# Altium PCB FMC_ADC_130M_16B_4CH.PcbDoc (part 5 of 8) (continued)
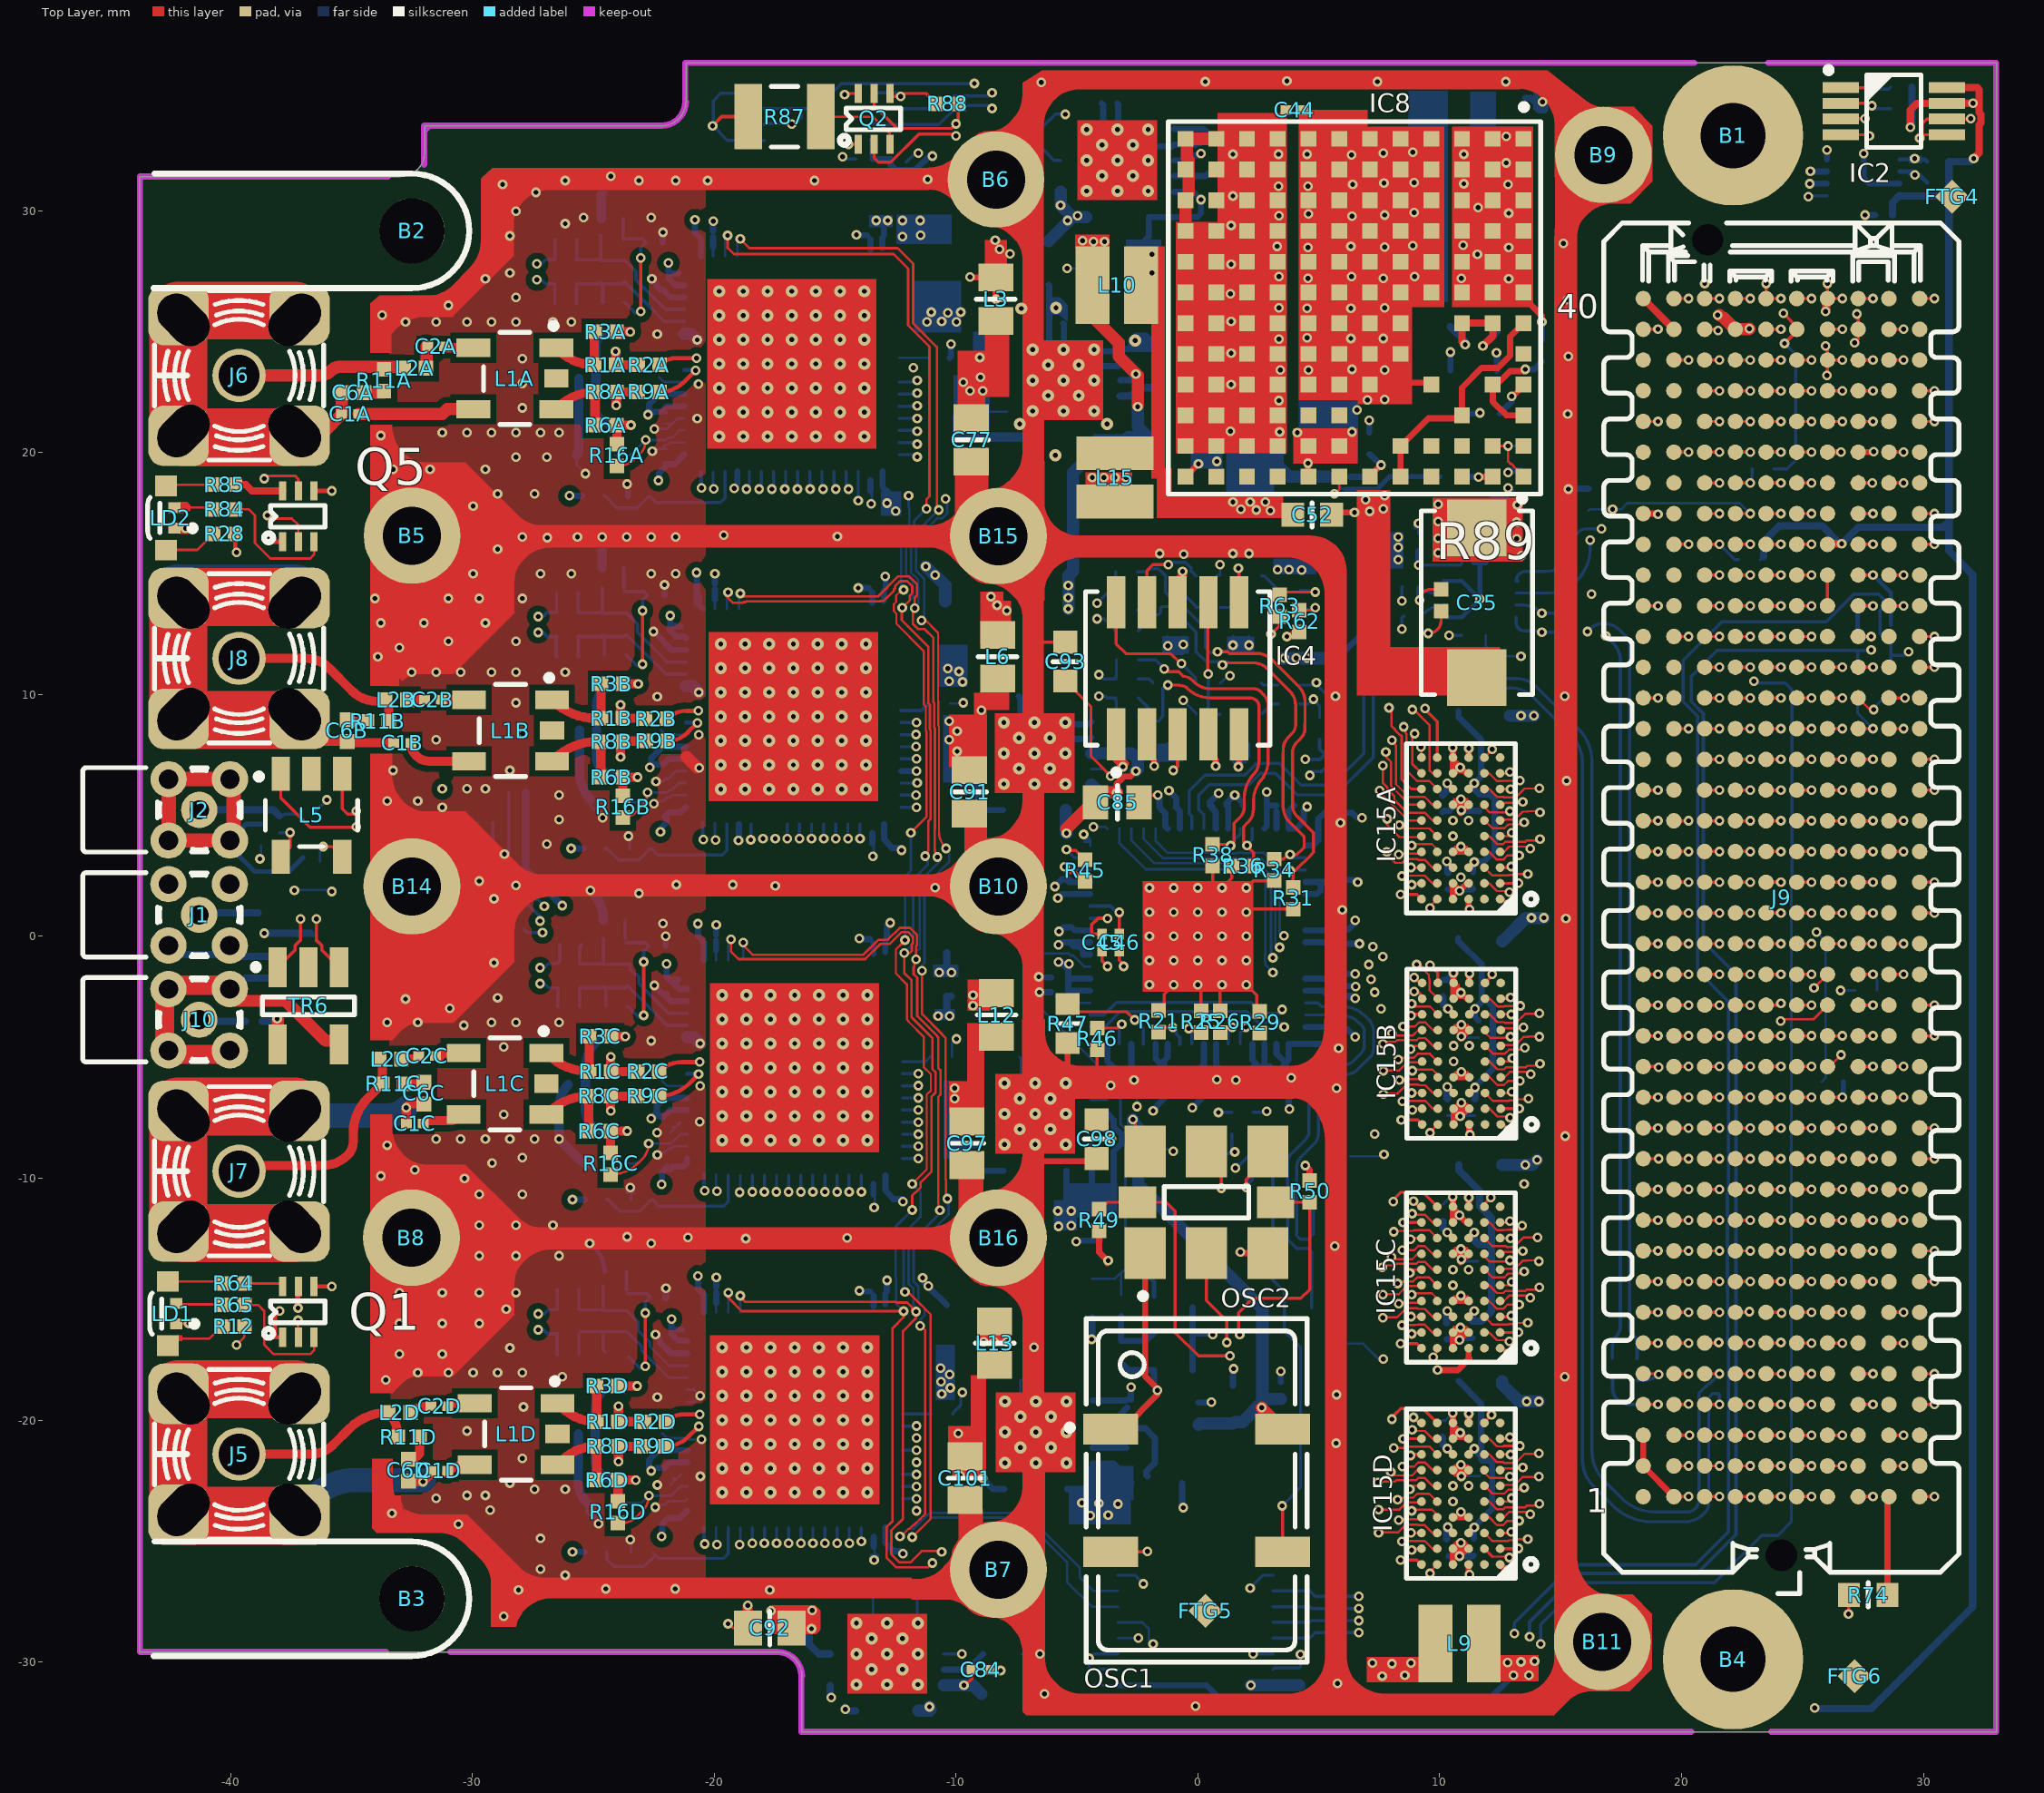
[diagram p0: Top Layer view]
## Nets (pads, with @x,y where several pads share a name; then routed paths per layer and width w, separated by ;. In a path a pad name is that pad's centre, name@x,y a point inside that pad or via, vN(x,y) a via of type N, cw(c..) or ccw(c..) an arc to the next point about the centre after c; other vN are vias at no path point) (continued)
  Bottom Layer w0.127: IC13.4@-29.804,0.289 -29.804,1.336 -29.591,1.549 v1(-29.108,1.549) ; IC13.5@-29.804,4.689 -29.804,3.667 -29.54,3.404 -28.88,3.404 ; IC13.6@-29.154,4.689 -29.154,3.678 -28.88,3.404 ; C41.2@-28.493,5.944 -28.493,4.7 IC13.7@-28.504,4.689 -28.504,3.485 -28.499,3.48 -28.6,3.48 v1(-28.677,3.404) -28.88,3.404 ; v1(-14.69,32.226) -14.597,32.134 C103.2@-14.14,32.134 ; IC17.5@-13.481,34.874 -12.446,34.874 ; C104.2@-12.065,31.998 -11.678,32.385 v1(-11.557,32.385) ; R10D.1@-10.141,-19.75 -10.141,-19.717 -9.804,-19.38 -9.804,-18.923 v1@-9.735,-18.853 ; IC14.2@-3.302,-30.313 -4.466,-30.313 C37.1@-4.496,-30.282 v1(-4.496,-29.845) -4.313,-29.663 IC14.3@-3.302,-29.663 ; IC14.8@-3.302,-26.413 -2.62,-26.413 v1(-2.261,-26.772) ; v1(-1.803,7.036) -1.265,7.574 TR3.5@-1.265,7.965 TR3.4@-0.615,7.965 ; v1(-1.575,15.824) -1.555,15.824 TR4.9@-1.265,16.114 ; TR3.9@-1.265,11.695 TR3.10@-0.615,11.695 TR4.4@-0.615,12.384 ; TR4.5@-1.265,12.384 -1.265,12.034 v1(-1.245,12.014) ; v1(-0.635,15.088) -0.635,14.199 -0.08,13.643 TR4.3@-0.08,13.599 0.29,13.599 0.483,13.792 0.483,14.605 0.802,14.925 TR2.3@0.918,14.925 ; TR4.10@-0.615,16.114 -0.615,15.855 -0.584,15.824 v1(-0.584,15.799) ; v1@0.94,-7.239 0.972,-7.272 R52.2@1.397,-7.272 ; v1(1.448,15.824) 1.448,15.85 1.453,15.855 TR2.4@1.453,16.14 ; TR5.10@1.453,7.965 1.453,7.234 v1(1.676,7.01) 2.103,7.437 TR5.9@2.103,7.965 ; TR5.4@1.453,11.695 TR2.10@1.453,12.41 ; v1@1.575,-5.969 1.58,-5.963 C110.1@1.58,-5.41 ; TR5.5@2.103,11.695 TR2.9@2.103,12.41 ; TR2.5@2.103,16.14 2.103,15.855 2.108,15.85 v1(2.108,15.824) ; v1(2.159,-26.949) 2.696,-26.413 IC14.9@3.114,-26.413 ; v1(2.286,-29.667) 2.291,-29.663 IC14.14@3.114,-29.663 ; R30.2@2.286,-7.272 2.812,-7.272 v1(2.845,-7.239) ; IC14.15@3.114,-30.313 3.17,-30.257 C39.1@4.191,-30.257 4.242,-30.206 v1(4.242,-29.693) ; C50.2@9.119,16.631 v1(9.119,17.069) ; C74.2@31.471,33.762 31.857,33.762 31.902,33.807 v1(31.953,33.807)
  Bottom Layer w0.178: v1(-25.146,-12.7) -24.915,-12.931 cw(c-25.854,-13.871) R76D.1@-24.526,-13.871 ; IC16.9@10.159,13.195 10.909,13.195 v1(11.659,13.945) 10.909,14.695 IC16.12@10.159,14.695
  Bottom Layer w0.203: IC16.14@11.409,15.445 11.659,15.445 ; v1(11.659,13.945) 11.659,15.445 ; IC16.15@11.909,15.445 11.659,15.445
  Bottom Layer w0.254: v1(-23.597,18.694) -23.597,18.669 -23.564,18.636 R14A.2@-23.564,18.186 ; v1(-22.581,27.178) -22.373,26.97 -22.373,26.878 -22.239,26.744 -22.147,26.744 -21.819,26.416 IC1A.14@-21.244,26.416 ; v1(-22.512,12.598) -21.75,11.836 IC1B.14@-21.175,11.836 ; v1(-22.479,-2.032) -22.129,-2.382 C16C.1@-22.089,-2.382 ; v1(-22.428,-16.459) -22.431,-16.459 -22.456,-16.485 -22.248,-16.692 -22.248,-16.784 -21.786,-17.247 IC1D.14@-21.12,-17.247 ; C25A.1@-22.126,28.688 -22.126,29.081 -22.123,29.083 v1(-22.123,29.108) ; C25B.1@-22.057,14.108 -22.057,14.501 -22.054,14.503 v1(-22.054,14.529) ; C25C.1@-22.004,-0.41 -22.004,-0.017 -22.002,-0.015 v1(-22.002,0.011) ; C25D.1@-22.001,-14.975 -22.001,-14.582 -21.999,-14.58 v1(-21.999,-14.554) ; C16C.1@-21.971,-2.382 C16C.1@-22.089,-2.382 ; IC1C.14@-21.123,-2.682 -21.789,-2.682 C16C.1@-22.089,-2.382 ; IC1A.18@-20.044,28.499 C15A.1@-20.044,28.929 ; C15A.1@-20.044,29.159 v1@-20.044,29.59 ; IC1B.18@-19.975,13.919 C15B.1@-19.975,14.35 ; -19.975,14.58 v1@-19.975,15.01 ; IC1C.18@-19.923,-0.599 C15C.1@-19.923,-0.168 ; C15C.1@-19.923,0.062 v1@-19.923,0.492 ; IC1D.18@-19.92,-15.164 C15D.1@-19.92,-14.733 ; C15D.1@-19.92,-14.503 v1@-19.92,-14.073 ; v1(-19.177,18.517) -19.152,18.517 -19.094,18.574 -19.094,18.669 -19.044,18.719 IC1A.61@-19.044,19.216 ; v1(-18.999,3.962) -18.974,3.962 -18.975,3.964 IC1B.61@-18.975,4.636 ; v1@-14.113,28.981 C20A.1@-13.683,28.981 ; v1@-14.044,14.402 C20B.1@-13.614,14.402 ; v1@-13.991,-0.116 -13.561,-0.116 ; v1@-13.989,-14.681 C20D.1@-13.558,-14.681 ; C19A.1@-13.536,18.416 IC1A.50@-13.536,18.847 ; IC1A.31@-13.536,28.372 C20A.1@-13.536,28.802 ; C19B.1@-13.467,3.837 IC1B.50@-13.467,4.267 ; IC1B.31@-13.467,13.792 C20B.1@-13.467,14.223 ; C19C.1@-13.414,-10.681 IC1C.50@-13.414,-10.251 ; IC1C.31@-13.414,-0.726 -13.414,-0.295 ; C19D.1@-13.411,-25.246 IC1D.50@-13.411,-24.816 ; IC1D.31@-13.411,-15.291 C20D.1@-13.411,-14.86 ; R10A.1@-10.266,23.913 -10.211,23.968 v1(-10.211,24.486) ; IC9.7@-7.406,9.919 -7.341,9.853 IC9.21@-7.341,8.763 ; IC9.8@-6.756,9.919 -6.731,9.894 IC9.21@-6.731,8.763 ; v1(-6.579,-1.676) -6.553,-1.702 C68.1@-6.065,-1.702 ; v1(-6.553,-2.311) C59.1@-6.065,-2.311 ; C78.1@-6.172,26.938 -6.147,26.913 IC6.21@-6.147,24.181 ; v1(-5.791,1.575) -5.616,1.75 IC3.12@-4.45,1.75 ; v1(-5.766,-0.356) -5.66,-0.25 IC3.8@-4.45,-0.25 ; IC6.8@-5.563,25.337 -5.537,25.312 IC6.21@-5.537,24.181 ; IC9.21@-5.512,8.153 -4.472,8.153 IC9.12@-4.406,8.219 ; IC9.21@-5.512,8.763 -4.513,8.763 IC9.11@-4.406,8.869 ; C69.1@-5.232,-0.325 -5.134,-0.423 -4.912,-0.423 -4.748,-0.586 -4.748,-0.75 IC3.7@-4.45,-0.75 ; v1(-5.029,-12.624) -4.989,-12.584 C95.1@-4.039,-12.584 ; v1(-4.394,-16.662) -4.369,-16.637 C55.1@-4.369,-15.761 ; IC11.12@-4.381,-6.691 -3.795,-6.691 -3.607,-6.502 v1(-3.607,-6.172) -3.607,-6.093 -3.853,-6.093 -3.905,-6.041 IC11.11@-4.381,-6.041 ; IC12.12@-4.356,-19.848 -3.287,-19.848 C102.1@-2.921,-19.482 ; IC12.11@-4.356,-19.198 -2.967,-19.198 C102.1@-2.921,-19.152 ; IC6.21@-4.318,23.571 -3.278,23.571 IC6.12@-3.213,23.637 ; IC6.21@-4.318,24.181 -3.319,24.181 IC6.11@-3.213,24.287 -1.888,24.287 C79.1@-1.676,24.498 ; IC7.7@-3.977,34.43 -3.912,34.364 IC7.21@-3.912,33.274 ; IC7.8@-3.327,34.43 -3.302,34.405 IC7.21@-3.302,33.274 ; C102.1@-2.769,-19.152 v1(-2.769,-18.644) ; IC3.62@-2.75,-4.45 -2.75,-5.46 C107.1@-2.749,-5.461 ; v1@-2.743,-5.944 -2.749,-5.938 C107.1@-2.749,-5.461 ; C108.1@-2.1,-5.469 -2.741,-5.469 C107.1@-2.749,-5.461 ; IC7.21@-2.083,32.664 -1.043,32.664 IC7.12@-0.977,32.73 -0.109,32.73 -0.051,32.788 0.086,32.788 C80.1@0.457,33.16 0.241,33.376 -0.973,33.376 IC7.11@-0.977,33.38 ; v1(-1.651,5.842) -1.6,5.842 -1.595,5.836 C67.1@-1.595,5.359 ; C67.1@-1.575,5.385 -1.575,5.309 -1.348,5.082 -1.348,4.548 IC3.22@-1.25,4.45 ; C100.1@-0.649,-22.606 -0.649,-23.582 v1(-0.61,-23.622) ; C57.1@-0.216,-17.94 C56.1@-0.216,-16.416 ; C58.1@-0.216,-15.334 C56.1@-0.216,-16.416 ; v1(0.61,-16.459) 0.584,-16.485 0.533,-16.485 0.464,-16.416 C56.1@-0.216,-16.416 ; IC3.55@0.75,-4.45 0.75,-5.328 C105.1@0.833,-5.41 0.833,-5.822 0.787,-5.867 v1(0.787,-5.918) ; C70.1@1.188,5.41 1.188,5.506 v1(1.524,5.842) 1.86,5.506 C64.1@1.86,5.41 ; IC3.27@1.25,4.45 C70.1@1.25,5.481 ; C53.1@1.448,-18.58 1.448,-17.932 1.473,-17.907 v1(1.473,-17.882) ; IC3.50@3.25,-4.45 3.25,-4.85 3.404,-5.004 3.629,-5.23 3.632,-5.232 C109.1@3.632,-5.41 ; C10.2@3.429,-18.421 v1(3.429,-17.983) ; C109.1@3.54,-5.319 3.75,-5.109 IC3.49@3.75,-4.45 5.268,-4.45 C106.1@5.359,-4.541 5.811,-4.541 5.817,-4.547 v1(5.817,-4.623) ; C109.1@3.581,-5.512 v1@3.81,-5.74 ; v1@3.785,-5.74 v1@3.881,-5.836 ; C65.1@3.988,5.41 3.75,5.172 IC3.32@3.75,4.45 4.069,4.45 4.374,4.755 4.374,5.213 v1(4.521,5.359) ; C72.1@5.537,1.631 5.862,1.631 6.045,1.448 v1@6.045,0.991 ; C63.1@5.563,0.985 5.938,0.985 5.944,0.991 v1@6.045,0.991 ; v1@5.858,4.75 5.867,4.75 v1@5.867,4.724 ; v1@5.867,4.648 v1@5.867,4.724 ; v1(5.893,4.699) v1@5.867,4.724 ; v1(5.969,1.092) 5.969,1.067 v1@6.045,0.991 ; C61.1@6.065,-2.464 6.339,-2.464 6.361,-2.486 6.474,-2.486 v1@6.502,-2.515 ; C66.1@6.065,-1.549 v1(6.502,-1.549) ; C62.1@6.243,-0.305 v1(6.68,-0.305) ; v1(6.502,-2.565) v1@6.502,-2.515 ; v1@6.502,-2.489 v1@6.502,-2.515 ; R80.2@7.087,20.821 7.087,21.285 7.112,21.311 v1(7.087,21.336) ; C22A.1@10.109,5.136 10.166,5.193 10.4,5.193 v1(10.871,5.664) ; C22B.1@10.135,-1.809 10.278,-1.809 v1(10.567,-1.52) ; C21C.1@10.287,-16.657 10.79,-16.657 v1(10.82,-16.688) 10.902,-16.606 C23C.1@11.354,-16.606 ; C21A.1@10.338,1.936 11.354,1.936 C23A.1@11.379,1.961 ; C21D.1@10.363,-25.623 10.815,-25.623 v1(10.82,-25.629) 11.374,-25.629 C23D.1@11.405,-25.598 ; C99.1@10.439,23.408 v1(10.439,24.155) ; C73.2@10.884,21.615 11.633,21.615 v1(11.659,21.641) ; v1@10.897,5.156 10.933,5.193 11.602,5.193 C24A.1@11.633,5.162 ; R82.1@12.192,18.092 12.602,18.092 12.947,18.437 12.843,18.542 v1(12.827,18.542) ; v1(12.344,24.13) 12.37,24.105 C29.1@12.37,23.382 ; v1(12.827,19.177) 12.827,19.228 12.802,19.253 12.809,19.26 R83.2@13.36,19.26 ; C30.1@13.538,34.658 13.754,34.658 14.249,34.163 v1(14.249,34.493) ; v1(15.316,18.491) 15.334,18.509 R48.1@16.154,18.509 ; v1(25.324,31.623) 25.328,31.619 IC5.3@26.008,31.619 ; IC5.4@26.008,32.119 26.008,32.511 v1(26.01,32.512) ; v1(27.534,32.36) 27.534,31.394 IC5.9@27.508,31.369 27.758,31.119 IC5.7@29.008,31.119 ; v1(27.584,29.82) C31.2@28.022,29.82
  Bottom Layer w0.3: J1.2@-42.198,-0.75 J1.2@-40.396,-0.75 ; J1.2@-39.583,-0.825 R40.1@-38.4,-0.825
  Bottom Layer w0.381: C26C.2@-26.029,-6.121 ccw(c-25.096,-7.055) -26.416,-7.055 v1(-26.416,-8.382) -25.553,-9.245 ccw(c-25.184,-8.877) C12C.1@-25.184,-9.398 ; C12A.1@-25.692,19.888 ccw(c-25.92,20.116) -25.598,20.116 C26A.2@-25.598,23.063 ; C26D.2@-25.623,-20.574 -25.623,-22.543 ccw(c-24.384,-22.543) C12D.1@-25.26,-23.419 ; C26B.2@-25.572,8.534 -25.572,6.785 ccw(c-23.987,6.785) C12B.1@-25.108,5.664 ; R76B.1@-24.645,15.224 v1@-24.645,16.503
  Bottom Layer w0.4: v1@-25.073,1.858 cw(c-26.25,0.68) R76C.1@-24.586,0.68 ; R76A.1@-24.671,29.677 -24.671,30.481 cw(c-23.344,30.481) v1(-24.282,31.42)
  Bottom Layer w0.5: v1(5.74,-18.948) v1(5.74,-6.274)
  Bottom Layer w0.508: IC1A.11@-21.244,24.916 -20.954,24.916 v1(-20.701,24.663) ; IC1B.11@-21.175,10.336 -20.885,10.336 v1(-20.632,10.084) ; IC1C.11@-21.123,-4.182 -20.832,-4.182 v1(-20.579,-4.434)
  other v1: -0.102,-31.826 5.766,-30.886 -28.702,-28.118 -28.092,-27.026 -17.704,-27.026 -24.486,-26.975 -21.615,-26.975 -26.162,-26.416 -27.178,-26.162 -13.386,-25.781 10.871,-25.07 -27.178,-24.892 -30.582,-24.308 -33.325,-23.851 10.871,-23.8 -29.261,-23.724 -22.437,-23.602 -31.496,-23.241 -30.226,-23.114 -29.464,-23.114 -27.432,-22.86 -26.162,-22.86 -22.354,-22.682 -28.448,-22.606 -20.574,-22.327 10.897,-22.327 10.871,-21.844 -27.94,-21.59 5.715,-20.955 -30.226,-20.447 -27.889,-19.456 -22.352,-19.05 -9.735,-18.853 -33.579,-18.339 -26.289,-18.212 15.164,-18.212 -32.258,-18.034 -30.988,-18.034 -29.972,-18.034 -28.956,-18.034 -27.94,-18.034 -33.02,-17.272 -31.242,-17.272 -28.448,-17.018 -6.782,-16.993 10.85,-16.175 -33.02,-16.002 -31.242,-16.002 -29.718,-16.002 -28.6,-15.418 10.871,-14.859 -33.02,-14.732 -31.242,-14.732 -29.718,-14.732 -28.194,-14.732 10.897,-13.36 -29.718,-13.208 -28.194,-13.208 -26.416,-13.208 10.871,-12.929 5.664,-12.802 -22.606,-12.7 -18.694,-12.497 -14.503,-12.471 -21.082,-12.446 -23.597,-12.421 -29.718,-11.938 -28.194,-11.938 -26.67,-11.938 10.82,-11.532 -13.389,-11.216 -29.718,-10.668 -27.94,-10.668 -30.328,-10.008 -33.782,-9.906 -32.385,-9.652 -29.185,-9.373 -27.94,-9.144 -22.352,-9.042 -33.528,-8.636 -31.496,-8.382 -30.48,-8.382 -29.464,-8.382 -28.448,-8.382 -27.432,-8.382 15.189,-8.255 7.315,-8.179 -22.357,-8.117 -20.599,-7.671 -28.702,-7.366 0.85,-7.282 10.897,-6.879 -20.579,-6.187 -2.642,-5.944 1.575,-5.944 3.861,-5.842 10.897,-5.609 -28.702,-4.572 -22.606,-4.318 10.897,-4.14 -30.353,-3.683 10.897,-3.654 -33.528,-3.556 -32.258,-3.556 -29.21,-3.556 -28.194,-3.556 -26.416,-3.556 -30.937,-2.972 -32.766,-2.591 -28.956,-2.54 -2,-2 0,-2 1,-2 -29.108,-1.092 -2,-1 -1,-1 2,-1 -2,0 -1,0 0,0 1,0 2,0 -22.123,0.533 15.215,0.737 -2,1 -1,1 0,1 1,1 -23.114,1.778 -10.871,2.007 -2,2 -1,2 0,2 -17.475,2.083 -28.194,2.108 -21.565,2.134 -19.228,2.134 -29.718,2.286 10.871,2.438 -13.441,3.302 10.871,3.708 -26.924,3.81 -26.416,4.826 10.897,5.207 -31.242,5.334 -22.493,5.481 -33.528,5.588 -32.258,5.588 -26.416,5.842 -30.226,6.096 -29.464,6.096 15.24,6.426 -33.274,6.858 -28.448,6.858 -20.625,6.96 -3.099,7.01 9.22,7.823 -31.496,8.128 -20.632,8.331 -27.94,8.382 -28.194,9.652 29.235,9.855 -22.352,9.906 5.69,9.931 15.164,9.931 -32.512,10.922 -31.496,10.922 -30.48,10.922 -29.21,10.922 -28.194,10.922 -26.162,10.922 -33.909,11.557 -33.02,11.938 1.448,12.04 2.108,12.04 -0.61,12.065 -30.988,12.192 -28.194,12.192 -33.782,12.954 -32.004,12.954 -29.464,12.954 -34.036,13.97 -30.988,13.97 -29.718,13.97 -27.94,13.97 16.281,14.148 -29.972,14.986 -27.178,14.986 -25.908,14.986 -22.606,14.986 -21.59,14.986 -28.956,16.002 -26.899,16.485 -27.94,16.51 -25.654,16.51 -24.638,16.51 -23.622,16.51 -22.606,16.51 -21.59,16.51 -14.91,16.535 -19.609,16.586 7.102,17.572 7.665,17.673 -29.972,17.78 -13.51,17.882 6.938,18.048 7.721,18.222 -28.956,18.288 -27.432,18.288 -33.274,19.304 -31.75,19.304 -29.464,19.304 -28.194,19.812 -26.924,19.812 -33.782,20.701 -31.242,20.828 -30.226,20.828 -29.21,20.828 -28.194,20.828 -27.178,20.828 -26.416,20.828 4.115,20.828 6.375,20.853 -20.701,21.412 15.291,21.59 6.579,21.768 -27.94,21.844 7.01,22.174 7.722,22.2 -20.65,22.835 -27.94,22.86 4.572,23.419 7.722,23.419 6.375,23.444 -27.94,23.876 15.316,23.978 6.325,24.714 7.671,24.714 4.521,24.74 -22.352,24.892 -32.766,25.4 -31.496,25.4 -30.226,25.4 -29.21,25.4 -28.194,25.4 -26.67,25.4 -25.908,25.4 -33.731,25.679 4.521,25.959 6.325,25.959 7.722,25.984 -30.988,26.086 15.291,26.314 -28.194,26.416 -29.464,27.178 4.547,27.203 7.671,27.203 6.35,27.28 8.966,27.28 -28.448,27.432 4.547,28.473 7.722,28.499 6.325,28.524 8.89,28.55 15.113,28.651 -28.448,28.956 -26.162,29.464 -25.4,29.718 -22.606,29.718 6.375,29.769 7.722,29.82 4.572,29.87 8.941,29.921 -28.194,29.972 -27.376,30.754 4.547,31.013 -28.753,31.09 6.401,31.09 7.696,31.14 8.941,31.166 -26.162,31.242 -23.114,31.242 -21.59,31.242 -20.269,31.242 -15.85,31.242 -11.176,31.293 6.35,32.309 4.521,32.334 7.671,32.385 8.89,32.41 -6.477,35.306 0.305,35.331 7.417,35.331 12.725,35.331 3.683,35.357
  other v2: -14.122,-30.937 -12.852,-30.937 -11.582,-30.937 -13.487,-30.302 -12.217,-30.302 -14.122,-29.667 -12.852,-29.667 -11.582,-29.667 -13.487,-29.032 -12.217,-29.032 -14.122,-28.397 -12.852,-28.397 -11.582,-28.397 -19.67,-22.997 -18.67,-22.997 -17.67,-22.997 -16.67,-22.997 -15.67,-22.997 -14.67,-22.997 -13.67,-22.997 -19.67,-21.997 -18.67,-21.997 -17.67,-21.997 -16.67,-21.997 -15.67,-21.997 -14.67,-21.997 -13.67,-21.997 -7.976,-21.768 -6.706,-21.768 -5.436,-21.768 -7.341,-21.133 -6.071,-21.133 -19.67,-20.997 -18.67,-20.997 -17.67,-20.997 -16.67,-20.997 -15.67,-20.997 -14.67,-20.997 -13.67,-20.997 -7.976,-20.498 -6.706,-20.498 -5.436,-20.498 -19.67,-19.997 -18.67,-19.997 -17.67,-19.997 -16.67,-19.997 -15.67,-19.997 -14.67,-19.997 -13.67,-19.997 -6.071,-19.863 -7.976,-19.228 -5.436,-19.228 -19.67,-18.997 -18.67,-18.997 -17.67,-18.997 -16.67,-18.997 -15.67,-18.997 -14.67,-18.997 -13.67,-18.997 -19.67,-17.997 -18.67,-17.997 -17.67,-17.997 -16.67,-17.997 -15.67,-17.997 -14.67,-17.997 -13.67,-17.997 -19.67,-16.997 -18.67,-16.997 -17.67,-16.997 -16.67,-16.997 -15.67,-16.997 -14.67,-16.997 -13.67,-16.997 -8.001,-8.611 -6.731,-8.611 -5.461,-8.611 -19.673,-8.432 -18.673,-8.432 -17.673,-8.432 -16.673,-8.432 -15.673,-8.432 -14.673,-8.432 -13.673,-8.432 -7.366,-7.976 -6.096,-7.976 -19.673,-7.432 -18.673,-7.432 -17.673,-7.432 -16.673,-7.432 -15.673,-7.432 -14.673,-7.432 -13.673,-7.432 -8.001,-7.341 -5.461,-7.341 -7.366,-6.706 -6.096,-6.706 -19.673,-6.432 -18.673,-6.432 -17.673,-6.432 -16.673,-6.432 -15.673,-6.432 -14.673,-6.432 -13.673,-6.432 -8.001,-6.071 -6.731,-6.071 -5.461,-6.071 -19.673,-5.432 -18.673,-5.432 -17.673,-5.432 -16.673,-5.432 -15.673,-5.432 -14.673,-5.432 -13.673,-5.432 -19.673,-4.432 -18.673,-4.432 -17.673,-4.432 -16.673,-4.432 -15.673,-4.432 -14.673,-4.432 -13.673,-4.432 -19.673,-3.432 -18.673,-3.432 -17.673,-3.432 -16.673,-3.432 -15.673,-3.432 -14.673,-3.432 -13.673,-3.432 -19.673,-2.432 -18.673,-2.432 -17.673,-2.432 -16.673,-2.432 -15.673,-2.432 -14.673,-2.432 -13.673,-2.432 -19.725,6.086 -18.725,6.086 -17.725,6.086 -16.725,6.086 -15.725,6.086 -14.725,6.086 -13.725,6.086 -8.026,6.299 -6.756,6.299 -5.486,6.299 -7.391,6.934 -6.121,6.934 -19.725,7.086 -18.725,7.086 -17.725,7.086 -16.725,7.086 -15.725,7.086 -14.725,7.086 -13.725,7.086 -8.026,7.569 -6.756,7.569 -5.486,7.569 -19.725,8.086 -18.725,8.086 -17.725,8.086 -16.725,8.086 -15.725,8.086 -14.725,8.086 -13.725,8.086 -7.391,8.204 -6.121,8.204 -8.026,8.839 -6.756,8.839 -5.486,8.839 -19.725,9.086 -18.725,9.086 -17.725,9.086 -16.725,9.086 -15.725,9.086 -14.725,9.086 -13.725,9.086 -19.725,10.086 -18.725,10.086 -17.725,10.086 -16.725,10.086 -15.725,10.086 -14.725,10.086 -13.725,10.086 -19.725,11.086 -18.725,11.086 -17.725,11.086 -16.725,11.086 -15.725,11.086 -14.725,11.086 -13.725,11.086 -19.725,12.086 -18.725,12.086 -17.725,12.086 -16.725,12.086 -15.725,12.086 -14.725,12.086 -13.725,12.086 -5.893,19.888 -19.794,20.666 -18.794,20.666 -17.794,20.666 -16.794,20.666 -15.794,20.666 -14.794,20.666 -13.794,20.666 -7.366,21.184 -3.759,21.184 -19.794,21.666 -18.794,21.666 -17.794,21.666 -16.794,21.666 -15.794,21.666 -14.794,21.666 -13.794,21.666 -6.833,21.717 -5.563,21.717 -4.293,21.717 -6.198,22.352 -4.928,22.352 -19.794,22.666 -18.794,22.666 -17.794,22.666 -16.794,22.666 -15.794,22.666 -14.794,22.666 -13.794,22.666 -6.833,22.987 -5.563,22.987 -4.293,22.987 -6.198,23.622 -4.928,23.622 -19.794,23.666 -18.794,23.666 -17.794,23.666 -16.794,23.666 -15.794,23.666 -14.794,23.666 -13.794,23.666 -6.833,24.257 -5.563,24.257 -4.293,24.257 -2.591,24.638 -19.794,24.666 -18.794,24.666 -17.794,24.666 -16.794,24.666 -15.794,24.666 -14.794,24.666 -13.794,24.666 -19.794,25.666 -18.794,25.666 -17.794,25.666 -16.794,25.666 -15.794,25.666 -14.794,25.666 -13.794,25.666 -7.305,25.953 -5.867,25.984 -19.794,26.666 -18.794,26.666 -17.794,26.666 -16.794,26.666 -15.794,26.666 -14.794,26.666 -13.794,26.666 -4.597,30.81 -3.327,30.81 -2.057,30.81 -3.962,31.445 -2.692,31.445 -4.597,32.08 -3.327,32.08 -2.057,32.08 -3.962,32.715 -2.692,32.715 -4.597,33.35 -3.327,33.35 -2.057,33.35
  other v3: 10.546,-23.368 10.546,-22.718 11.196,-22.718 10.546,-14.428 10.546,-13.778 11.196,-13.778 10.572,-5.178 10.572,-4.528 11.222,-4.528 10.546,4.14 10.546,4.79 11.196,4.79
HA01_CC_N: J9.e3 | length 0.6
  Top Layer w0.127: J9.e3@24.763,-20.625 v1(25.375,-20.625)
HA08_N: J9.f11 | length 0.6
  Top Layer w0.127: J9.f11@23.493,-10.465 v1(24.105,-10.465)
HA12_N: J9.f14 OSC2.8 R50.1 | length 41.5
  Top Layer w0.127: v1@1.676,-16.408 1.676,-15.562 2.272,-14.967 4.26,-14.967 4.623,-14.603 R50.1@4.623,-10.991 4.616,-10.998 OSC2.8@3.208,-10.998 ; J9.f14@23.493,-6.655 v1(24.105,-6.655)
  L3 w0.127: v1(1.727,-16.459) 5.893,-16.459 7.731,-18.297 13.249,-18.297 14.732,-16.815 14.732,-12.116 17.288,-9.56 21.911,-9.56 22.076,-9.395 22.076,-7.769 22.825,-7.02 22.986,-7.02 23.148,-6.858 23.901,-6.858 v1(24.105,-6.655)
HA12_P: J9.f13 OSC2.2 | length 35.9
  Top Layer w0.127: OSC2.2@0.356,-13.098 0.356,-15.062 1.194,-15.9 v1(1.194,-16.789) ; J9.f13@23.493,-7.925 v1(24.105,-7.925)
  L3 w0.127: v1(1.194,-16.789) 1.292,-16.888 5.128,-16.888 6.766,-18.526 13.344,-18.526 14.961,-16.909 14.961,-12.395 17.567,-9.788 23.257,-9.788 23.495,-9.55 23.495,-8.992 24.105,-8.382 v1(24.105,-7.925)
HA13_N: J9.e13 | length 0.6
  Top Layer w0.127: J9.e13@24.763,-7.925 v1(25.375,-7.925)
HA13_P: J9.e12 OSC2.7 R49.1 | length 43.1
  Top Layer w0.127: R49.1@-4.064,-11.354 -4.089,-11.354 -3.734,-10.998 OSC2.7@-2.497,-10.998 -1.295,-10.998 -0.94,-11.354 -0.94,-16.383 0.025,-17.348 v1(1.321,-17.348) ; J9.e12@24.763,-9.195 v1(25.375,-9.195)
  L3 w0.127: v1(1.321,-17.348) 1.473,-17.501 5.207,-17.501 6.461,-18.755 13.732,-18.755 15.392,-17.094 15.392,-12.471 17.764,-10.1 20.133,-10.1 20.138,-10.105 20.143,-10.1 22.673,-10.1 22.678,-10.105 22.683,-10.1 22.986,-10.1 22.991,-10.105 23.194,-10.105 23.241,-10.058 24.511,-10.058 v1(25.375,-9.195)
HA16_N: J9.e16 | length 0.6
  Top Layer w0.127: J9.e16@24.763,-4.115 v1(25.375,-4.115)
HA16_P: J9.e15 | length 0.6
  Top Layer w0.127: J9.e15@24.763,-5.385 v1(25.375,-5.385)
HA17_CC_N: J9.k17 | length 0.6
  Top Layer w0.127: J9.k17@18.413,-2.845 v1(19.025,-2.845)
HA19_P: J9.f19 | length 0.6
  Top Layer w0.127: J9.f19@23.493,-0.305 v1(24.105,-0.305)
HA20_N: J9.e19 | length 0.6
  Top Layer w0.127: J9.e19@24.763,-0.305 v1(25.375,-0.305)
HA20_P: J9.e18 | length 0.6
  Top Layer w0.127: J9.e18@24.763,-1.575 v1(25.375,-1.575)
HB00_CC_N: J9.k26
HB00_CC_P: J9.k25
HB01_N: J9.j25
HB01_P: J9.j24
HB02_N: J9.f23 | length 0.6
  Top Layer w0.127: J9.f23@23.493,4.775 v1(24.105,4.775)
HB02_P: J9.f22 | length 0.6
  Top Layer w0.127: J9.f22@23.493,3.505 v1(24.105,3.505)
HB03_N: J9.e22 | length 0.6
  Top Layer w0.127: J9.e22@24.763,3.505 v1(25.375,3.505)
HB03_P: J9.e21 | length 0.6
  Top Layer w0.127: J9.e21@24.763,2.235 v1(25.375,2.235)
HB04_N: J9.f26 | length 0.6
  Top Layer w0.127: J9.f26@23.493,8.585 v1(24.105,8.585)
HB04_P: J9.f25 | length 0.6
  Top Layer w0.127: J9.f25@23.493,7.315 v1(24.105,7.315)
HB05_N: J9.e25 | length 0.6
  Top Layer w0.127: J9.e25@24.763,7.315 v1(25.375,7.315)
HB05_P: J9.e24 | length 0.6
  Top Layer w0.127: J9.e24@24.763,6.045 v1(25.375,6.045)
HB06_CC_N: J9.k29
HB06_CC_P: J9.k28
HB07_N: J9.j28
HB07_P: J9.j27
HB08_N: J9.f29 | length 0.6
  Top Layer w0.127: J9.f29@23.493,12.395 v1(24.105,12.395)
HB08_P: J9.f28 | length 0.6
  Top Layer w0.127: J9.f28@23.493,11.125 v1(24.105,11.125)
HB09_N: J9.e28 | length 0.6
  Top Layer w0.127: J9.e28@24.763,11.125 v1(25.375,11.125)
HB09_P: J9.e27 | length 0.6
  Top Layer w0.127: J9.e27@24.763,9.855 v1(25.375,9.855)
HB10_N: J9.k32
HB10_P: J9.k31
HB11_N: J9.j31
HB11_P: J9.j30
HB12_N: J9.f32 | length 0.6
  Top Layer w0.127: J9.f32@23.493,16.205 v1(24.105,16.205)
HB12_P: J9.f31 | length 0.6
  Top Layer w0.127: J9.f31@23.493,14.935 v1(24.105,14.935)
HB13_N: J9.e31 | length 0.6
  Top Layer w0.127: J9.e31@24.763,14.935 v1(25.375,14.935)
HB13_P: J9.e30 | length 0.6
  Top Layer w0.127: J9.e30@24.763,13.665 v1(25.375,13.665)
HB14_N: J9.k35
HB14_P: J9.k34
HB15_N: J9.j34
HB15_P: J9.j33
HB16_N: J9.f35 | length 0.6
  Top Layer w0.127: J9.f35@23.493,20.015 v1(24.105,20.015)
HB16_P: J9.f34 | length 0.6
  Top Layer w0.127: J9.f34@23.493,18.745 v1(24.105,18.745)
HB17_CC_N: J9.k38
HB17_CC_P: J9.k37
HB18_N: J9.j37
HB18_P: J9.j36
HB19_N: J9.e34 | length 0.6
  Top Layer w0.127: J9.e34@24.763,18.745 v1(25.375,18.745)
HB19_P: J9.e33 | length 0.6
  Top Layer w0.127: J9.e33@24.763,17.475 v1(25.375,17.475)
HB20_N: J9.f38 | length 0.6
  Top Layer w0.127: J9.f38@23.493,23.825 v1(24.105,23.825)
HB20_P: J9.f37 | length 0.6
  Top Layer w0.127: J9.f37@23.493,22.555 v1(24.105,22.555)
HB21_N: J9.e37 | length 0.6
  Top Layer w0.127: J9.e37@24.763,22.555 v1(25.375,22.555)
HB21_P: J9.e36 | length 0.6
  Top Layer w0.127: J9.e36@24.763,21.285 v1(25.375,21.285)
INPUTA: C2A.1 L2A.2 | length 0.7
  Top Layer w0.508: L2A.2@-31.9,23.673 C2A.1@-31.9,24.384
INPUTB: C2B.1 L2B.2 | length 0.7
  Top Layer w0.381: L2B.2@-32.687,9.779 C2B.1@-31.973,9.779
INPUTC: C2C.1 L2C.2 | length 0.8
  Top Layer w0.381: L2C.2@-32.941,-5.08 -32.354,-5.08 C2C.1@-32.227,-4.953
INPUTD: C2D.1 L2D.2 | length 0.7
  Top Layer w0.381: L2D.2@-32.56,-19.685 cw(c-31.947,-20.298) -31.947,-19.431
LA00_CC_N: J9.g7 | length 0.6
  Top Layer w0.127: J9.g7@22.223,-15.545 22.834,-15.545 v1(22.809,-15.519)
LA06_N: IC14.11 J9.c11 | length 47.2
  Top Layer w0.127: J9.c11@27.303,-10.465 v1(27.915,-10.465)
  L3 w0.127: v1(6.655,-27.787) 6.725,-27.857 14.705,-27.857 15.534,-27.028 29.36,-27.028 31.178,-25.209 31.178,-11.57 30.632,-11.024 28.473,-11.024 v1(27.915,-10.465)
  Bottom Layer w0.127: IC14.11@3.114,-27.713 4.623,-27.713 4.697,-27.787 v1(6.655,-27.787)
LA06_P: IC14.10 J9.c10 | length 43.6
  Top Layer w0.127: J9.c10@27.303,-11.735 v1(27.915,-11.735)
  L3 w0.127: v1(6.655,-27.285) 6.727,-27.285 6.964,-27.522 14.566,-27.522 15.363,-26.725 28.825,-26.725 29.845,-25.705 29.845,-12.878 29.337,-12.37 28.423,-12.37 28.346,-12.294 28.1,-12.047 27.915,-11.862 v1(27.915,-11.735)
  Bottom Layer w0.127: IC14.10@3.114,-27.063 4.623,-27.063 4.845,-27.285 v1(6.655,-27.285)
LA09_N: IC3.19 J9.d15 | length 39.1
  Top Layer w0.102: J9.d15@26.033,-5.385 26.111,-5.385 v1(26.594,-4.902)
  L5 w0.102: v1(7.315,-2.311) 8.509,-1.118 8.509,-1.115 8.538,-1.086 8.538,-0.86 8.839,-0.559 14.961,-0.559 17.78,-3.378 23.622,-3.378 23.875,-3.125 24.334,-3.125 24.892,-3.683 25.654,-3.683 25.959,-3.988 25.959,-4.267 v1(26.594,-4.902)
  L3 w0.102: v1(3.099,-0.889) 3.505,-1.295 3.683,-1.295 5.512,-3.124 6.985,-3.124 7.242,-2.867 7.242,-2.862 7.315,-2.789 v1(7.315,-2.311)
  Bottom Layer w0.102: IC3.19@-2.75,4.45 -2.75,3.969 -1.803,3.023 2.515,3.023 3.023,2.515 3.023,-0.813 v1(3.099,-0.889)
LA09_P: J9.d14 R19.1 | length 1.3
  Top Layer w0.127: J9.d14@26.033,-6.655 v1(26.645,-6.655)
  Bottom Layer w0.208: v1(26.645,-6.655) 26.688,-6.611 R19.1@26.688,-6.02
LA10_N: IC14.13 J9.c15 | length 54.1
  Top Layer w0.127: J9.c15@27.303,-5.385 v1(27.915,-5.385)
  L3 w0.127: v1(6.655,-28.79) 6.86,-28.79 7.176,-28.474 15.058,-28.474 16.03,-27.503 17.409,-27.503 17.415,-27.508 29.743,-27.508 29.769,-27.483 29.787,-27.483 31.826,-25.444 31.826,-7.652 31.801,-7.627 31.801,-6.553 31.267,-6.02 28.55,-6.02 v1(27.915,-5.385)
  Bottom Layer w0.127: IC14.13@3.114,-29.013 4.623,-29.013 4.845,-28.79 v1(6.655,-28.79)
LA11_N: J9.h17 | length 0.6
  Top Layer w0.127: J9.h17@20.953,-2.845 v1(21.565,-2.845)
LA13_N: IC3.21 J9.d18 | length 33.8
  Top Layer w0.102: v1(25.476,-2.134) 26.033,-1.577 J9.d18@26.033,-1.575
  L5 w0.102: v1(7.061,-1.168) 7.798,-1.168 8.182,-0.784 8.182,-0.533 8.588,-0.127 15.621,-0.127 17.628,-2.134 v1(25.476,-2.134)
  L3 w0.102: v1(3.556,0.025) 3.556,-0.173 3.705,-0.322 3.705,-0.33 4.392,-1.016 6.909,-1.016 v1(7.061,-1.168)
  Bottom Layer w0.102: IC3.21@-1.75,4.45 -1.75,3.96 -1.245,3.454 1.185,3.454 1.217,3.422 1.488,3.422 1.498,3.432 1.634,3.432 1.656,3.454 1.849,3.454 1.871,3.432 2.167,3.432 2.19,3.454 2.718,3.454 3.378,2.794 3.378,0.152 3.556,-0.025 v1(3.556,0.025)
LA13_P: IC3.18 J9.d17 | length 38.3
  Top Layer w0.102: v1@24.125,-3.525 24.125,-3.449 24.105,-3.429 25.451,-3.429 26.033,-2.847 J9.d17@26.033,-2.845
  L5 w0.102: v1(7.569,-2.997) 7.772,-2.794 7.772,-2.184 8.715,-1.241 8.715,-1.033 9.012,-0.737 14.808,-0.737 17.805,-3.734 23.8,-3.734 24.105,-3.429 24.125,-3.449 v1@24.125,-3.525
  L3 w0.102: v1(3.099,-1.499) 3.607,-1.499 5.41,-3.302 7.264,-3.302 v1(7.569,-2.997)
  Bottom Layer w0.102: IC3.18@-3.25,4.45 -3.25,3.86 -2.159,2.769 2.438,2.769 2.794,2.413 2.794,-0.731 2.772,-0.754 2.772,-1.024 2.794,-1.047 2.794,-1.194 v1(3.099,-1.499)
  other v1: 24.1,-3.5
LA14_P: J9.c18 R7.1 | length 1.3
  Top Layer w0.127: J9.c18@27.303,-1.575 v1(27.915,-1.575)
  Bottom Layer w0.102: v1(27.915,-1.575) 28.085,-1.745 R7.1@28.085,-2.235
LA15_N: J9.h20 | length 0.6
  Top Layer w0.127: J9.h20@20.953,0.965 v1(21.565,0.965)
LA15_P: J9.h19 | length 0.6
  Top Layer w0.127: J9.h19@20.953,-0.305 v1(21.565,-0.305)
LA16_N: J9.g19 Q1.2 | length 128.4
  Top Layer w0.102: Q1.2@-37.211,-16.383 v1(-37.211,-15.875)
  Top Layer w0.127: J9.g19@22.223,-0.305 v1(22.835,-0.305)
  L3 w0.127: v1(-37.211,-15.875) -37.973,-15.875 -40.513,-18.415 -40.513,-19.812 -41.402,-20.701 -41.402,-22.098 -40.259,-23.241 -38.989,-23.241 -38.1,-22.352 -36.068,-22.352 -33.424,-24.996 -31.465,-24.996 -30.095,-26.367 -30.095,-26.373 -30.082,-26.386 -30.082,-28.386 -30.086,-28.39 -29.418,-29.058 -17.883,-29.058 -16.855,-29.058 -15.964,-29.949 -15.964,-31.963 -15.333,-32.594 26.74,-32.594 32.41,-26.924 32.41,-26.892 32.461,-26.841 32.461,-1.93 31.344,-0.813 23.343,-0.813 v1(22.835,-0.305)
LA16_P: J9.g18 Q1.5 | length 128.3
  Top Layer w0.127: J9.g18@22.223,-1.575 v1(22.835,-1.575)
  Top Layer w0.208: v1(-37.211,-15.367) Q1.5@-37.211,-14.656
  L3 w0.127: v1(-37.211,-15.367) -37.186,-15.392 -36.932,-15.392 -36.703,-15.621 -36.703,-16.256 -36.957,-16.51 -38.1,-16.51 -40.259,-18.669 -40.259,-19.939 -41.148,-20.828 -41.148,-21.971 -40.132,-22.987 -39.116,-22.987 -38.227,-22.098 -35.941,-22.098 -33.246,-24.793 -31.345,-24.793 -29.866,-26.272 -29.866,-26.278 -29.853,-26.291 -29.853,-28.098 -29.122,-28.829 -17.788,-28.829 -16.759,-28.829 -15.735,-29.852 -15.735,-31.868 -15.238,-32.365 26.613,-32.365 32.233,-26.746 32.233,-2.337 31.013,-1.118 23.292,-1.118 v1(22.835,-1.575)
LA17_CC_N: J9.d21 | length 0.6
  Top Layer w0.127: J9.d21@26.033,2.235 v1(26.645,2.235)